# KiCad board frothfet.kicad_pcb (continued)
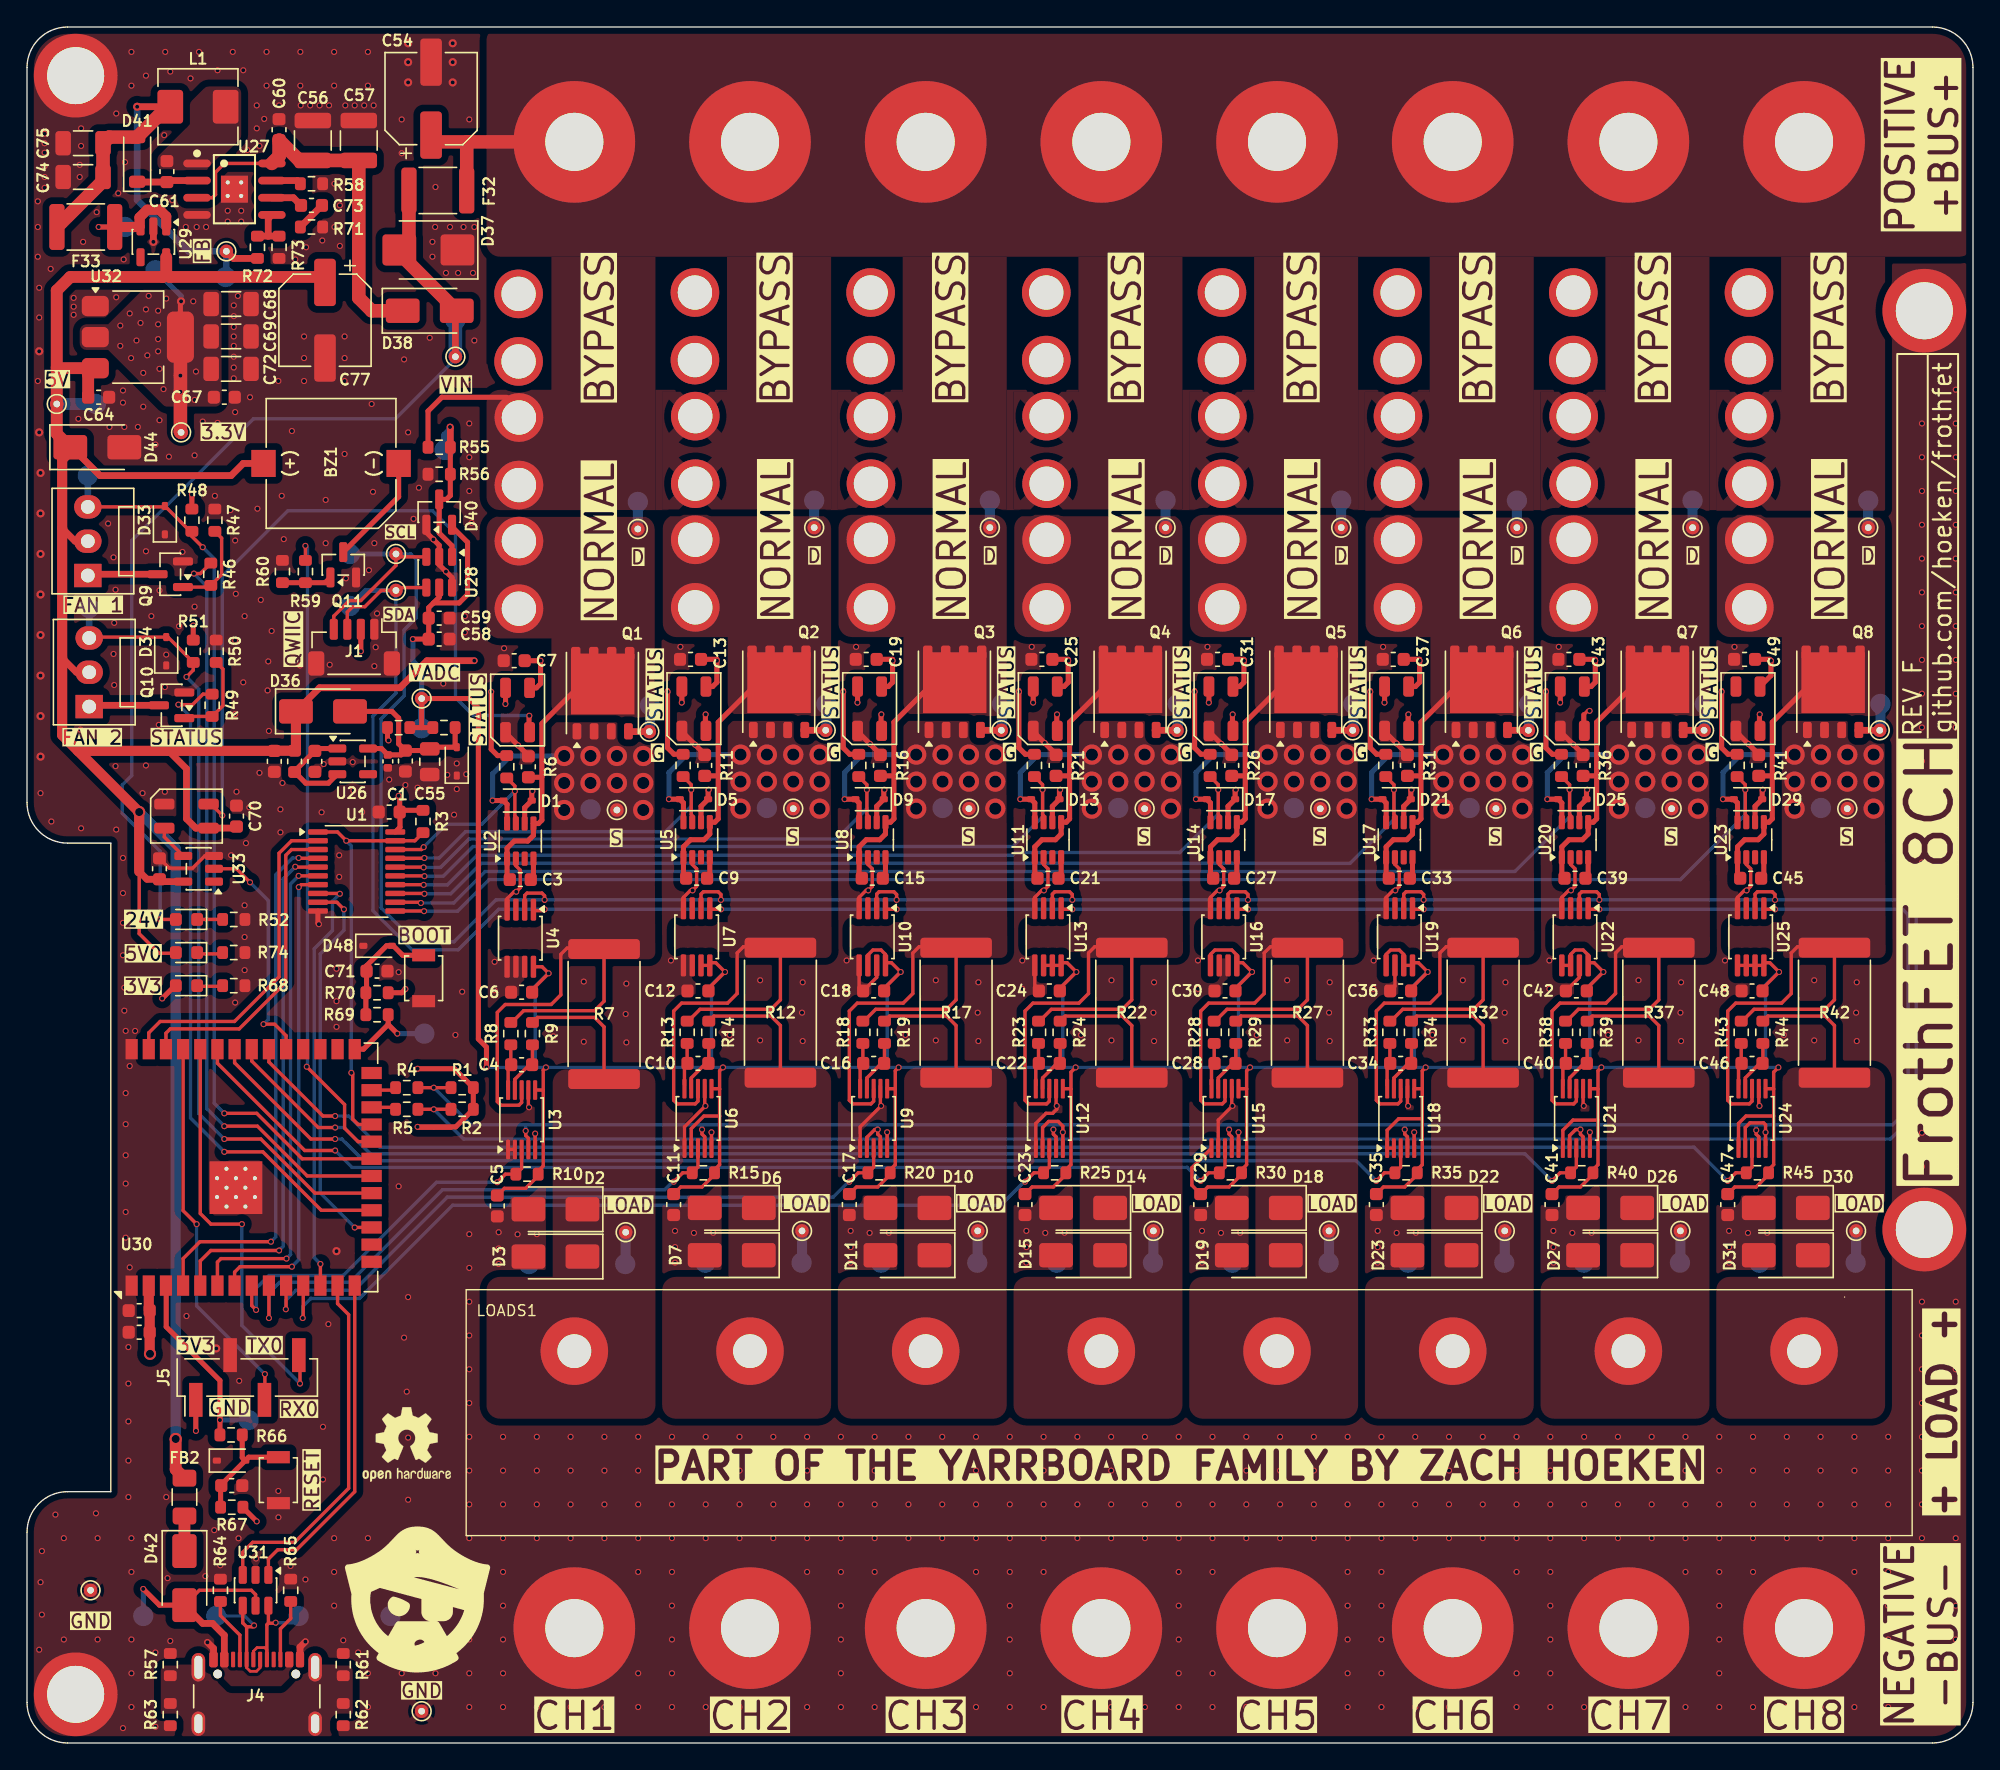
[diagram p0: board, top side]
## Placement (name value [footprint] x y rotation side) (continued)
TP77  TestPoint  [TestPoint_Pad_D1.5mm]  137.15 76.9 0 bottom
TP78  TestPoint  [TestPoint_Pad_D1.5mm]  136.25 91.95 0 bottom
TP79  TestPoint  [TestPoint_Pad_D1.5mm]  132.75 69.2 0 bottom
TP80  TestPoint  [TestPoint_Pad_D1.5mm]  135.32 35.55 0 bottom
TP81  TestPoint  [TestPoint_Pad_D1.5mm]  37.15 35.44 0 bottom
TP82  TestPoint  [TestPoint_Pad_D1.5mm]  50.2 35.54 0 bottom
TP83  TestPoint  [TestPoint_Pad_D1.5mm]  63.2 35.54 0 bottom
TP84  TestPoint  [TestPoint_Pad_D1.5mm]  76.2 35.54 0 bottom
TP85  TestPoint  [TestPoint_Pad_D1.5mm]  89.2 35.54 0 bottom
TP86  TestPoint  [TestPoint_Pad_D1.5mm]  102.2 35.54 0 bottom
TP87  TestPoint  [TestPoint_Pad_D1.5mm]  115.2 35.54 0 bottom
TP88  TestPoint  [TestPoint_Pad_D1.5mm]  128.2 35.54 0 bottom
TP89  TestPoint  [TestPoint_Pad_D1.5mm]  4.5 93.8 0 bottom
TP90  TestPoint  [TestPoint_Pad_D1.5mm]  4.6 84 0 bottom
TP91  TestPoint  [TestPoint_Pad_D1.5mm]  31.7 105.3 0 bottom
TP92  TestPoint  [TestPoint_Pad_D1.5mm]  29.2 75.1 0 bottom
TP93  TestPoint  [TestPoint_Pad_D1.5mm]  14.7 108.5 0 bottom
TP94  TestPoint  [TestPoint_Pad_D1.5mm]  30.9 95.7 0 bottom
TP95  ~  [TestPoint_THTPad_D1.0mm_Drill0.5mm]  29.2 2.35 0 top
TP96  ~  [TestPoint_THTPad_D1.0mm_Drill0.5mm]  4.7 11.3 0 top
TP97  TestPoint  [TestPoint_Pad_D1.5mm]  23.9 88 0 bottom
TP98  TestPoint  [TestPoint_Pad_D1.5mm]  23.9 84.15 0 bottom
U1  74LVC541A  [TSSOP-20_4.4x6.5mm_P0.65mm]  24.39 64.5 0 top
U2  LM74502H  [SOT-23-8]  36.5 66.75 90 top
U3  INA226  [VSSOP-10_3x3mm_P0.5mm]  36.6 46.12 90 top
U4  LM75BD  [MSOP-8_3x3mm_P0.65mm]  36.5 59.56 270 top
U5  LM74502H  [SOT-23-8]  49.55 66.85 90 top
U6  INA226  [VSSOP-10_3x3mm_P0.5mm]  49.65 46.22 90 top
U7  LM75BD  [MSOP-8_3x3mm_P0.65mm]  49.55 59.66 270 top
U8  LM74502H  [SOT-23-8]  62.55 66.85 90 top
U9  INA226  [VSSOP-10_3x3mm_P0.5mm]  62.65 46.22 90 top
U10  LM75BD  [MSOP-8_3x3mm_P0.65mm]  62.55 59.66 270 top
U11  LM74502H  [SOT-23-8]  75.55 66.85 90 top
U12  INA226  [VSSOP-10_3x3mm_P0.5mm]  75.65 46.22 90 top
U13  LM75BD  [MSOP-8_3x3mm_P0.65mm]  75.55 59.66 270 top
U14  LM74502H  [SOT-23-8]  88.55 66.85 90 top
U15  INA226  [VSSOP-10_3x3mm_P0.5mm]  88.65 46.22 90 top
U16  LM75BD  [MSOP-8_3x3mm_P0.65mm]  88.55 59.66 270 top
U17  LM74502H  [SOT-23-8]  101.55 66.85 90 top
U18  INA226  [VSSOP-10_3x3mm_P0.5mm]  101.65 46.22 90 top
U19  LM75BD  [MSOP-8_3x3mm_P0.65mm]  101.55 59.66 270 top
U20  LM74502H  [SOT-23-8]  114.55 66.85 90 top
U21  INA226  [VSSOP-10_3x3mm_P0.5mm]  114.65 46.22 90 top
U22  LM75BD  [MSOP-8_3x3mm_P0.65mm]  114.55 59.66 270 top
U23  LM74502H  [SOT-23-8]  127.55 66.85 90 top
U24  INA226  [VSSOP-10_3x3mm_P0.5mm]  127.65 46.22 90 top
U25  LM75BD  [MSOP-8_3x3mm_P0.65mm]  127.55 59.66 270 top
U26  TPS7A2033PDBVR  [SOT-23-5]  24.1 72.65 0 top
U27  RT7272BGSP  [SOIC-8_L5.0-W4.0-P1.27-LS6.0-BL-EP2.0]  15.35 115 270 top
U28  MCP3425A0T-ECH  [SOT-23-6]  30.5 86.65 270 top
U29  MAX40200AUK  [SOT-23-5]  9.35 111.1 270 top
U30  ESP32-S3-WROOM-1-N16R8  [ESP32-S3-WROOM-1]  13 42.6 90 top
U31  USBLC6-2SC6  [SOT-23-6]  16.91 11.3 270 top
U32  LDL1117S33R  [SOT-223-3_TabPin2]  8.2 104.05 0 top
U33  SN74LV1T34DBV  [SOT-23-5]  12.7 64.7 180 top

## Library data of the parts
ATC1 F4 F8 F12 F16 F20 F24 F28 = -: Description: Fuse; LCSC: C142685; ki_fp_filters: *Fuse*
BZ1 = -: Datasheet: https://www.lcsc.com/datasheet/C391033.pdf; Description: Buzzer, polarized; LCSC: C391033; Rotation Offset: 90; ki_fp_filters: *Buzzer*
C1 C2 C4-C8 C10-C14 C16-C20 C22-C26 C28-C32 C34-C38 C40-C44 C46-C49 C51 C53 C59-C61 C63 C65 C70 = -: LCSC: C14663; ki_fp_filters: C_*
C3 C9 C15 C21 C27 C33 C39 C45 = -: LCSC: C21120; ki_fp_filters: C_*
C50 C64 C66 C71 = -: LCSC: C15849; ki_fp_filters: C_*
C52 = -: LCSC: C1523; ki_fp_filters: C_*
C54 = -: Description: Polarized capacitor, small US symbol; LCSC: C3151829; Rotation Offset: 180; ki_fp_filters: CP_*
C55 = -: Description: Unpolarized capacitor, small symbol; LCSC: C527225; ki_fp_filters: C_*
C56 C57 = -: LCSC: C138687; ki_fp_filters: C_*
C58 = -: LCSC: C19702; ki_fp_filters: C_*
C62 = -: LCSC: C59461; ki_fp_filters: C_*
C67 = -: LCSC: C19666; ki_fp_filters: C_*
C68 C69 C72 = -: LCSC: C15008; ki_fp_filters: C_*
C73 = -: LCSC: C1609; ki_fp_filters: C_*
C74 C75 = -: LCSC: C12891; ki_fp_filters: C_*
C77 = -: Description: Polarized capacitor, small US symbol; LCSC: C2977551; Rotation Offset: 180; ki_fp_filters: CP_*
D1 D5 D9 D13 D17 D21 D25 D29 = -: Description: Zener diode, small symbol; ki_fp_filters: TO-???* *_Diode_* *SingleDiode* D_*
D2 D6 D10 D14 D18 D22 D26 D30 = -: Sim.Device: D; Sim.Pins: 1=K 2=A; ki_fp_filters: D*SMA*
D3 D7 D11 D15 D19 D23 D27 D31 = -: Datasheet: https://www.littelfuse.com/media?resourcetype=datasheets&itemid=75e32973-b177-4ee3-a0ff-cedaf1abdb93&filename=smaj-datasheet; Description: 400W bidirectional Transient Voltage Suppressor, 30.0Vr, SMA(DO-214AC); ki_fp_filters: D*SMA*
D4 D8 D12 D16 D20 D24 D28 D32 D47 = -: Datasheet: https://www.lcsc.com/datasheet/C527089.pdf; Description: RGB LED with integrated controller; LCSC: C527089; ki_fp_filters: LED*WS2812*PLCC*5.0x5.0mm*P3.2mm*
D33 D34 D39 = -: LCSC: C316020; ki_fp_filters: TO-???* *_Diode_* *SingleDiode* D_*
D35 = -: Description: Light emitting diode; LCSC: C12624; Sim.Pins: 1=K 2=A; ki_fp_filters: LED* LED_SMD:* LED_THT:*
D36 D38 = -: ki_fp_filters: TO-???* *_Diode_* *SingleDiode* D_*
D37 = -: LCSC: C113999; ki_fp_filters: TO-???* *_Diode_* *SingleDiode* D_*
D40 = -: Datasheet: https://www.lcsc.com/datasheet/C40919.pdf; LCSC: C40919; ki_fp_filters: SOT?23*
D41 = -: Datasheet: https://www.vishay.com/docs/85748/1n4148w.pdf; Description: 75V 0.15A Fast Switching Diode, SOD-123; Sim.Device: D; Sim.Pins: 1=K 2=A; LCSC: C81598; ki_fp_filters: D*SOD?123*
D42 = -: Description: 40V Independent 550mV@3A 3A SMA(DO-214AC) Single Diodes RoHS; LCSC: C8678; ki_fp_filters: D*SMA*
D43 D46 = -: Description: Light emitting diode; Sim.Pins: 1=K 2=A; LCSC: C12624; ki_fp_filters: LED* LED_SMD:* LED_THT:*
D44 = -: Datasheet: https://www.littelfuse.com/media?resourcetype=datasheets&itemid=75e32973-b177-4ee3-a0ff-cedaf1abdb93&filename=smaj-datasheet; Description: 400W unidirectional Transient Voltage Suppressor, 5.0Vr, SMA(DO-214AC); LCSC: C87074; ki_fp_filters: D*SMA*
D45 D48 = -: Description: Bidirectional transient-voltage-suppression diode; LCSC: C2687129; ki_fp_filters: TO-???* *_Diode_* *SingleDiode* D_*
F32 = -: LCSC: C70113; ki_fp_filters: *polyfuse* *PTC*
F33 = -: ki_fp_filters: *polyfuse* *PTC*
F42-F65 = -: Description: Generic connector, single row, 01x01, script generated; LCSC: C41371870; Rotation Offset: 90; ki_fp_filters: Connector*:*_1x??_*
FB1 = -: ki_fp_filters: Inductor_* L_* *Ferrite*
FB2 = -: Description: Resettable fuse, polymeric positive temperature coefficient; LCSC: C70083; ki_fp_filters: *polyfuse* *PTC*
H1-H4 = -: LCSC: C2916369; ki_fp_filters: MountingHole*Pad*
J1 = -: Description: Generic connectable mounting pin connector, single row, 01x04, script generated (kicad-library-utils/schlib/autogen/connector/); LCSC: C160390; ki_fp_filters: Connector*:*_1x??-1MP*
J2 J3 = -: Description: Generic screw terminal, single row, 01x08, script generated (kicad-library-utils/schlib/autogen/connector/); ki_fp_filters: TerminalBlock*:*
J4 = -: Datasheet: https://www.usb.org/sites/default/files/documents/usb_type-c.zip; Description: USB 2.0-only 16P Type-C Receptacle connector; LCSC: C393939; Position Offset: 0.0,1.27; ki_fp_filters: USB*C*Receptacle*
J5 = -: Description: Generic connector, single row, 01x04, script generated (kicad-library-utils/schlib/autogen/connector/); LCSC: C5160787; Rotation Offset: 90; ki_fp_filters: Connector*:*_1x??_*
L1 = -: LCSC: C177249; PN: SMMS0530-6R8M; ki_fp_filters: Choke_* *Coil* Inductor_* L_*
LOADS1 = -: Description: Generic screw terminal, single row, 01x08, script generated (kicad-library-utils/schlib/autogen/connector/); LCSC: C964541; ki_fp_filters: TerminalBlock*:*
LOGO1 LOGO2 = -: Description: Open Hardware logo, small
M1 M2 = -: Datasheet: http://www.hardwarecanucks.com/forum/attachments/new-builds/16287d1330775095-help-chassis-power-fan-connectors-motherboard-asus_p8z68.jpg; Description: Fan, tacho output, 3-pin connector; LCSC: C86503; ki_fp_filters: FanPinHeader*P2.54mm*Vertical* PinHeader*P2.54mm*Vertical* TerminalBlock*
Q1-Q8 = -: Datasheet: https://www.lcsc.com/datasheet/C501508.pdf; Description: MOSFET N-CH 40V 247A TDSON-8FL; Mouser: 726-BSC010N04LS; Rotation Offset: -90; LCSC: C501508; ki_fp_filters: DirectFET*ME*
Q9-Q11 = -: Datasheet: http://www.aosmd.com/pdfs/datasheet/AO3400A.pdf; Description: 30V Vds, 5.7A Id, N-Channel MOSFET, SOT-23; LCSC: C5224194; ki_fp_filters: SOT?23*
R1 R2 = -: LCSC: C4190; ki_fp_filters: R_*
R3 R6 R10 R11 R15 R16 R20 R21 R25 R26 R30 R31 R35 R36 R40 R41 R45 R48 R51 = -: LCSC: C25804; ki_fp_filters: R_*
R4 R5 R53 = -: LCSC: C21189; ki_fp_filters: R_*
R7 R12 R17 R22 R27 R32 R37 R42 = -: Description: Resistor, US symbol; LCSC: C469436; ki_fp_filters: R_*
R8 R9 R13 R14 R18 R19 R23 R24 R28 R29 R33 R34 R38 R39 R43 R44 = -: LCSC: C844794; ki_fp_filters: R_*
R46 R49 R59 = -: LCSC: C22775; ki_fp_filters: R_*
R47 R50 R52 R60 = -: LCSC: C25803; ki_fp_filters: R_*
R54 = -: LCSC: C96345; ki_fp_filters: R_*
R55 = -: LCSC: C705762; ki_fp_filters: R_*
R56 = -: LCSC: C469656; ki_fp_filters: R_*
R57 R61-R63 = -: Description: Resistor, small US symbol; LCSC: C21189; ki_fp_filters: R_*
R58 = -: Description: Resistor, small US symbol; LCSC: C137678; ki_fp_filters: R_*
R64 R65 R68 = -: Description: Resistor, small US symbol; LCSC: C23186; ki_fp_filters: R_*
R66 R69 = -: Description: Resistor, small US symbol; LCSC: C22775; ki_fp_filters: R_*
R67 R70 R74 = -: Description: Resistor, small US symbol; LCSC: C25804; ki_fp_filters: R_*
R71 = -: Description: Resistor, small US symbol; LCSC: C23352; ki_fp_filters: R_*
R72 = -: Description: Resistor, small US symbol; LCSC: C137694; ki_fp_filters: R_*
R73 = -: Description: Resistor, small US symbol; LCSC: C185375; ki_fp_filters: R_*
SW1 SW2 = -: LCSC: C231329; Rotation Offset: 90
TP1-TP37 TP40 TP46 TP95 TP96 = -: Description: test point (alternative probe-style design); ki_fp_filters: Pin* Test*
TP38 TP39 TP41-TP45 TP47-TP94 TP97 TP98 = -: Description: test point; ki_fp_filters: Pin* Test*
U1 = -: Datasheet: https://www.lcsc.com/datasheet/C113281.pdf; Description: 8-bit Buffer/Line Driver 3-state outputs; LCSC: C113281; ki_fp_filters: DIP?20* SOIC*7.5x12.8mm*P1.27mm* TSSOP*4.4x6.5mm*P0.65mm* SSOP*4.4x6.5mm*P0.65mm*
U2 U5 U8 U11 U14 U17 U20 U23 = -: Datasheet: https://www.lcsc.com/datasheet/C5219203.pdf; Description: SOT-23-8-THIN OR Controllers, Ideal Diodes RoHS; LCSC: C5219203
U3 U6 U9 U12 U15 U18 U21 U24 = -: Datasheet: http://www.ti.com/lit/ds/symlink/ina226.pdf; Description: High-Side or Low-Side Measurement, Bi-Directional Current and Power Monitor (0-36V) with I2C Compatible Interface, VSSOP-10; LCSC: C2653870; Rotation Offset: 270; ki_fp_filters: VSSOP*3x3mm*P0.5mm*
U4 U7 U10 U13 U16 U19 U22 U25 = -: Datasheet: http://www.ti.com/lit/ds/symlink/lm75b.pdf; Description: Digital Temperature Sensor & Thermal Watchdog with LP on I2C and bus fault timeout, SOIC-8 and VSSOP-8; LCSC: C18547812; ki_fp_filters: SOIC*3.9x4.9mm*P1.27mm* VSSOP*3x3mm*P0.65mm*
U26 = -: Datasheet: https://www.ti.com/lit/ds/symlink/tps7a20.pdf; Description: 300 mA Low Dropout Voltage Regulator, Fixed Output, 1.6..6.0Vin, Low-Noise (7μV RMS), 6.5μA IQ LDO, X2SON-5; LCSC: C2862740; ki_fp_filters: *X2SON*1x1mm*P0.65mm*
U27 = -: Datasheet: https://www.lcsc.com/datasheet/C127866.pdf; Description: 3A, 36V, 500kHz Synchronous Step-Down Converter; LCSC: C127866; Rotation Offset: 90
U28 = -: Datasheet: http://ww1.microchip.com/downloads/en/DeviceDoc/22072b.pdf; Mouser: 579-MCP3425A0T-E/CH; LCSC: C66823; ki_fp_filters: SOT?23* SOT?23*
U29 = -: Datasheet: https://datasheets.maximintegrated.com/en/ds/MAX40200.pdf; Description: Ideal Diode, Ultra-Low Voltage Drop, 1.5-5.5V, 1A, SOT-23-5; LCSC: C2649430; Rotation Offset: 90; ki_fp_filters: SOT?23*
U30 = -: Datasheet: https://www.espressif.com/sites/default/files/documentation/esp32-s3-wroom-1_wroom-1u_datasheet_en.pdf; Description: RF Module, ESP32-S3 SoC, Wi-Fi 802.11b/g/n, Bluetooth, BLE, 32-bit, 3.3V, onboard antenna, SMD; LCSC: C2913202; Position Offset: 0,-3.6195; ki_fp_filters: ESP32?S3?WROOM?1*
U31 = -: Datasheet: https://www.st.com/resource/en/datasheet/usblc6-2.pdf; Description: Very low capacitance ESD protection diode, 2 data-line, SOT-23-6; LCSC: C7519; Rotation Offset: 90; ki_fp_filters: SOT?23*
U32 = -: Datasheet: https://www.lcsc.com/datasheet/C435835.pdf; Description: 1.2 A high PSRR low-dropout linear voltage regulator; LCSC: C435835; ki_fp_filters: SOT?223*TabPin2*
U33 = -: Datasheet: https://www.ti.com/lit/ds/symlink/sn74lv1t34.pdf; Description: Single Power Supply, Single Buffer GATE, CMOS Logic, Level Shifter, SOT-23-5; LCSC: C100024; ki_fp_filters: SOT?23*

## Footprints (pads in the part's own frame, mm; a bottom-side part is the same pattern mirrored in y, then rotated)
Buzzer_FUET_9.6x9.6
  rect 2x1.8 smd: 1(0,5) 2(0,-5)
C_0402_1005Metric
  rrect 0.56x0.62 smd: 1(-0.48,0) 2(0.48,0)
C_0603_1608Metric
  rrect 0.9x0.95 smd: 1(-0.775,0) 2(0.775,0)
C_0805_2012Metric
  rrect 1x1.45 smd: 1(-0.95,0) 2(0.95,0)
C_1206_3216Metric
  rrect 1.15x1.8 smd: 1(-1.475,0) 2(1.475,0)
C_1210_3225Metric
  rrect 1.15x2.7 smd: 1(-1.475,0) 2(1.475,0)
CP_Elec_6.3x5.4
  rrect 3.5x1.6 smd: 1(-2.8,0) 2(2.8,0)
CP_Elec_6.3x7.7
  rrect 3.5x1.6 smd: 1(-2.7,0) 2(2.7,0)
D_SMA
  rrect 2.5x1.8 smd: 1(-2,0) 2(2,0)
D_SMB
  rrect 2.5x2.3 smd: 1(-2.15,0) 2(2.15,0)
D_SOD-123
  rrect 0.9x1.2 smd: 1(-1.65,0) 2(1.65,0)
D_SOD-323
  rrect 0.6x0.45 smd: 1(-1.05,0) 2(1.05,0)
ESP32-S3-WROOM-1
  rect 0.9x0.9 smd: (-2.9,-1.06) (-2.9,-2.46) (-2.9,-3.86) (-1.5,-1.06) (-1.5,-2.46) (-1.5,-3.86) (-0.1,-1.06) (-0.1,-2.46) (-0.1,-3.86)
  rect 1.5x0.9 smd: 1(-8.75,5.26) 2(-8.75,3.99) 3(-8.75,2.72) 4(-8.75,1.45) 5(-8.75,0.18) 6(-8.75,-1.09) 7(-8.75,-2.36) 8(-8.75,-3.63) 9(-8.75,-4.9) 10(-8.75,-6.17) 11(-8.75,-7.44) 12(-8.75,-8.71) 13(-8.75,-9.98) 14(-8.75,-11.25) 27(8.75,-11.25) 28(8.75,-9.98) 29(8.75,-8.71) 30(8.75,-7.44) 31(8.75,-6.17) 32(8.75,-4.9) 33(8.75,-3.63) 34(8.75,-2.36) 35(8.75,-1.09) 36(8.75,0.18) 37(8.75,1.45) 38(8.75,2.72) 39(8.75,3.99) 40(8.75,5.26)
  rect 0.9x1.5 smd: 15(-6.985,-12.5) 16(-5.715,-12.5) 17(-4.445,-12.5) 18(-3.175,-12.5) 19(-1.905,-12.5) 20(-0.635,-12.5) 21(0.635,-12.5) 22(1.905,-12.5) 23(3.175,-12.5) 24(4.445,-12.5) 25(5.715,-12.5) 26(6.985,-12.5)
  round 0.6 hole 0.3: 41(-2.9,-1.76) 41(-2.9,-3.16) 41(-2.2,-1.06) 41(-2.2,-2.46) 41(-2.2,-3.86) 41(-1.5,-1.76) 41(-1.5,-3.16) 41(-0.8,-1.06) 41(-0.8,-2.46) 41(-0.8,-3.86) 41(-0.1,-1.76) 41(-0.1,-3.16)
  rect 3.9x3.9 smd: 41(-1.5,-2.46)
FanPinHeader_1x03_P2.54mm_Vertical
  rect 1.73x2.03 hole 1.02: 1(0,0)
  oval 1.73x2.03 hole 1.02: 2(2.54,0) 3(5.08,0)
Frothfet Busbar Negative Rev E
  round 9 hole 4.3: 1(0,0) 2(13,0) 3(26,0) 4(39,0) 5(52,0) 6(65,0) 7(78,0) 8(91,0)
Frothfet Busbar Positive Rev E
  round 9 hole 4.3: 1(0,0) 2(13,0) 3(26,0) 4(39,0) 5(52,0) 6(65,0) 7(78,0) 8(91,0)
Fuse_1206_3216Metric
  rrect 1.25x1.75 smd: 1(-1.4,0) 2(1.4,0)
Fuse_1812_4532Metric
  rrect 1.125x3.4 smd: 1(-2.138,0) 2(2.138,0)
Infineon_PG-TDSON-8_6.15x5.15mm
  rect 0.9x0.9 smd: (-0.8,1.725) (-0.8,0.575) (-0.8,-0.575) (-0.8,-1.725) (0.425,1.725) (0.425,0.575) (0.425,-0.575) (0.425,-1.725) (1.625,1.725) (1.625,0.575) (1.625,-0.575) (1.625,-1.725)
  rect 4.5x4.7 smd: 1(0.675,0)
  rrect 1x0.7 smd: 1(2.925,1.995) 1(2.925,0.665) 1(2.925,-0.665) 1(2.925,-1.995)
  rrect 1.2x0.65 smd: 2(-2.825,-1.905) 3(-2.825,1.905) 3(-2.825,0.635) 3(-2.825,-0.635)
JST_SH_BM04B-SRSS-TB_1x04-1MP_P1.00mm_Vertical
  rrect 0.6x1.55 smd: 1(-1.5,-1.325) 2(-0.5,-1.325) 3(0.5,-1.325) 4(1.5,-1.325)
  rrect 1.2x1.8 smd: MP(-2.8,1.2) MP(2.8,1.2)
KF78S-13.0-8P
  round 5 hole 2.5: 1(0,0) 2(13,0) 3(26,0) 4(39,0) 5(52,0) 6(65,0) 7(78,0) 8(91,0)
L_0603_1608Metric
  rrect 0.875x0.95 smd: 1(-0.787,0) 2(0.787,0)
L_Chilisin_BMRA00050530
  rrect 1.9x2.5 smd: 1(-2.05,0) 2(2.05,0)
LED_0603_1608Metric
  rrect 0.875x0.95 smd: 1(-0.787,0) 2(0.787,0)
LED_WS2812B-Mini_PLCC4_3.5x3.5mm
  rrect 1.5x0.8 smd: 1(-1.64,0.89) 2(-1.64,-0.89) 3(1.64,-0.89) 4(1.64,0.89)
MSOP-8_3x3mm_P0.65mm
  rrect 1.625x0.4 smd: 1(-2.112,0.975) 2(-2.112,0.325) 3(-2.112,-0.325) 4(-2.112,-0.975) 5(2.112,-0.975) 6(2.112,-0.325) 7(2.112,0.325) 8(2.112,0.975)
PinHeader_1x04_P2.54mm_Vertical_SMD_Pin1Left
  rect 2.51x1 smd: 1(-1.655,3.81) 2(1.655,1.27) 3(-1.655,-1.27) 4(1.655,-3.81)
R_0603_1608Metric
  rrect 0.8x0.95 smd: 1(-0.825,0) 2(0.825,0)
R_4020_10251Metric
  rrect 1.475x5.3 smd: 1(-4.812,0) 2(4.812,0)
SMTSO30XXX
  round 4.22 hole 4.22 unplated: (0,0)
  round 6.2 smd: 1(0,0)
SOIC-8_L5.0-W4.0-P1.27-LS6.0-BL-EP2.0
  oval 0.574x2.038 smd: 1(-1.905,-2.769) 2(-0.635,-2.769) 3(0.635,-2.769) 4(1.905,-2.769) 5(1.905,2.769) 6(0.635,2.769) 7(-0.635,2.769) 8(-1.905,2.769)
  round 0.7 hole 0.3: 4(-0.5,0.5) 4(-0.5,-0.5) 4(0.5,0.5) 4(0.5,-0.5)
  rect 2x2 smd: 4(0,0)
SOT-23
  rrect 1.475x0.6 smd: 1(-0.938,0.95) 2(-0.938,-0.95) 3(0.938,0)
SOT-23-5
  rrect 1.325x0.6 smd: 1(-1.137,0.95) 2(-1.137,0) 3(-1.137,-0.95) 4(1.137,-0.95) 5(1.137,0.95)
SOT-23-6
  rrect 1.325x0.6 smd: 1(-1.137,0.95) 2(-1.137,0) 3(-1.137,-0.95) 4(1.137,-0.95) 5(1.137,0) 6(1.137,0.95)
SOT-23-8
  rrect 1.05x0.45 smd: 1(-1.3,0.975) 2(-1.3,0.325) 3(-1.3,-0.325) 4(-1.3,-0.975) 5(1.3,-0.975) 6(1.3,-0.325) 7(1.3,0.325) 8(1.3,0.975)
SOT-223-3_TabPin2
  rrect 2x1.5 smd: 1(-3.15,2.3) 2(-3.15,0) 3(-3.15,-2.3)
  rrect 2x3.8 smd: 2(3.15,0)
SW_SPST_B3U-1000P
  rect 0.9x1.7 smd: 1(-1.7,0) 2(1.7,0)
TestPoint_Pad_D1.5mm
  round 1.5 smd: 1(0,0)
TestPoint_THTPad_D1.0mm_Drill0.5mm
  round 1 hole 0.5: 1(0,0)
TSSOP-20_4.4x6.5mm_P0.65mm
  rrect 1.475x0.4 smd: 1(-2.862,2.925) 2(-2.862,2.275) 3(-2.862,1.625) 4(-2.862,0.975) 5(-2.862,0.325) 6(-2.862,-0.325) 7(-2.862,-0.975) 8(-2.862,-1.625) 9(-2.862,-2.275) 10(-2.862,-2.925) 11(2.862,-2.925) 12(2.862,-2.275) 13(2.862,-1.625) 14(2.862,-0.975) 15(2.862,-0.325) 16(2.862,0.325) 17(2.862,0.975) 18(2.862,1.625) 19(2.862,2.275) 20(2.862,2.925)
USB_C_Receptacle_GCT_USB4105-xx-A_16P_TopMnt_Horizontal
  round 0.65 hole 0.65 unplated: (-2.89,2.605) (2.89,2.605)
  rrect 0.6x1.15 smd: A1(-3.2,3.68) A4(-2.4,3.68) A9(2.4,3.68) A12(3.2,3.68) B1(3.2,3.68) B4(2.4,3.68) B9(-2.4,3.68) B12(-3.2,3.68)
  rrect 0.3x1.15 smd: A5(-1.25,3.68) A6(-0.25,3.68) A7(0.25,3.68) A8(1.25,3.68) B5(1.75,3.68) B6(0.75,3.68) B7(-0.75,3.68) B8(-1.75,3.68)
  oval 1x2.1 hole 0.6x1.7: S1(-4.32,3.105) S1(4.32,3.105)
  oval 1x1.8 hole 0.6x1.4: S1(-4.32,-1.075) S1(4.32,-1.075)
VSSOP-10_3x3mm_P0.5mm
  rrect 1.45x0.3 smd: 1(-2.2,1) 2(-2.2,0.5) 3(-2.2,0) 4(-2.2,-0.5) 5(-2.2,-1) 6(2.2,-1) 7(2.2,-0.5) 8(2.2,0) 9(2.2,0.5) 10(2.2,1)
XFCN T507
  round 3.6 hole 2.54: 1(0,2.5) 1(0,-2.5)

## Nets
+3.3V: C1.1 C62.1 C63.1 C67.1 C68.1 C69.1 C72.1 D46.2 J1.2 J5.1 R1.2 R2.2 R3.1 R6.2 R11.2 R16.2 R21.2 R26.2 R31.2 R36.2 R41.2 R48.2 R51.2 R54.2 R67.1 R70.2 TP46.1 TP47.1 U1.20 U30.2 U32.2
+3.3VADC: C5.1 C6.1 C11.1 C12.1 C17.1 C18.1 C23.1 C24.1 C29.1 C30.1 C35.1 C36.1 C41.1 C42.1 C47.1 C48.1 C58.1 C59.1 D40.2 R10.2 R15.2 R20.2 R25.2 R30.2 R35.2 R40.2 R45.2 R53.2 R54.1 TP36.1 TP92.1 U3.6 U4.8 U6.2 U6.6 U7.7 U7.8 U9.6 U10.6 U10.8 U12.6 U13.6 U13.7 U13.8 U15.1 U15.6 U16.5 U16.8 U18.1 U18.2 U18.6 U19.5 U19.7 U19.8 U21.1 U21.6 U22.5 U22.6 U22.8 U24.1 U24.6 U25.5 U25.6 U25.7 U25.8 U28.5
+5V: BZ1.1 C7.2 C13.2 C19.2 C25.2 C31.2 C37.2 C43.2 C49.2 C50.1 C64.1 C65.1 C70.1 C77.1 D4.1 D8.1 D12.1 D16.1 D20.1 D24.1 D28.1 D32.1 D36.1 D43.2 D44.1 D47.1 FB1.1 FB2.2 M1.2 M2.2 TP39.1 TP40.1 U29.5 U32.3 U33.5
+24V: C54.1 F32.2 F43.1 F46.1 F49.1 F52.1 F55.1 F58.1 F61.1 F64.1 J2.1 J2.2 J2.3 J2.4 J2.5 J2.6 J2.7 J2.8 R55.2
/ESP32-S3/VBUS: D42.2 J4.A4 J4.A9 J4.B4 J4.B9 TP42.1 U31.5
GND: C1.2 C2.2 C5.2 C6.2 C7.1 C8.2 C11.2 C12.2 C13.1 C14.2 C17.2 C18.2 C19.1 C20.2 C23.2 C24.2 C25.1 C26.2 C29.2 C30.2 C31.1 C32.2 C35.2 C36.2 C37.1 C38.2 C41.2 C42.2 C43.1 C44.2 C47.2 C48.2 C49.1 C50.2 C51.2 C52.2 C53.2 C54.2 C55.2 C56.2 C57.2 C58.2 C59.2 C60.2 C62.2 C63.2 C64.2 C65.2 C66.2 C67.2 C68.2 C69.2 C70.2 C71.1 C72.2 C74.2 C75.2 C77.2 D2.2 D3.2 D4.3 D6.2 D7.2 D8.3 D10.2 D11.2 D12.3 D14.2 D15.2 D16.3 D18.2 D19.2 D20.3 D22.2 D23.2 D24.3 D26.2 D27.2 D28.3 D30.2 D31.2 D32.3 D33.1 D34.1 D37.1 D39.1 D40.1 D44.2 D45.1 D47.3 D48.1 H1.1 H2.1 H3.1 H4.1 J1.1 J1.MP J3.1 J3.2 J3.3 J3.4 J3.5 J3.6 J3.7 J3.8 J4.A1 J4.A12 J4.B1 J4.B12 J5.2 Q9.2 Q10.2 Q11.2 R47.2 R50.2 R52.2 R56.1 R57.1 R58.2 R60.2 R61.1 R62.1 R63.1 R64.2 R65.2 R68.2 R71.2 R73.2 R74.2 SW1.2 SW2.2 TP41.1 TP81.1 TP82.1 TP83.1 TP84.1 TP85.1 TP86.1 TP87.1 TP88.1 TP95.1 TP96.1 U1.10 U2.2 U3.1 U3.2 U3.7 U4.4 U4.5 U4.6 U4.7 U5.2 U6.1 U6.7 U7.4 U7.5 U7.6 U8.2 U9.1 U9.7 U10.4 U10.5 U10.7 U11.2 U12.1 U12.7 U13.4 U13.5 U14.2 U15.2 U15.7 U16.4 U16.6 U16.7 U17.2 U18.7 U19.4 U19.6 U20.2 U21.7 U22.4 U22.7 U23.2 U24.7 U25.4 U26.2 U27.4 U28.2 U28.6 U29.2 U30.1 U30.40 U30.41 U31.2 U32.1 U33.3
/CHANNEL 1/LED_DOUT: D4.2 D8.4
/CHANNEL 1/LOAD_SWITCHED: D1.2 F44.1 Q1.3 R7.1 R8.2 TP5.1 TP51.1 U2.8 U3.8
/CHANNEL 1/LOAD_VSS: C2.1 C3.1 F42.1 Q1.1 TP4.1 TP50.1 U2.1 U2.5
/CHANNEL 2/LED_DOUT: D8.2 D12.4
/CHANNEL 2/LOAD_SWITCHED: D5.2 F47.1 Q2.3 R12.1 R13.2 TP9.1 TP55.1 U5.8 U6.8
/CHANNEL 2/LOAD_VSS: C8.1 C9.1 F45.1 Q2.1 TP8.1 TP54.1 U5.1 U5.5
/CHANNEL 3/LED_DOUT: D12.2 D16.4
/CHANNEL 3/LOAD_SWITCHED: D9.2 F50.1 Q3.3 R17.1 R18.2 TP13.1 TP59.1 U8.8 U9.8
/CHANNEL 3/LOAD_VSS: C14.1 C15.1 F48.1 Q3.1 TP12.1 TP58.1 U8.1 U8.5
/CHANNEL 4/LED_DOUT: D16.2 D20.4
/CHANNEL 4/LOAD_SWITCHED: D13.2 F53.1 Q4.3 R22.1 R23.2 TP17.1 TP63.1 U11.8 U12.8
/CHANNEL 4/LOAD_VSS: C20.1 C21.1 F51.1 Q4.1 TP16.1 TP62.1 U11.1 U11.5
/CHANNEL 5/LED_DOUT: D20.2 D24.4
/CHANNEL 5/LOAD_SWITCHED: D17.2 F56.1 Q5.3 R27.1 R28.2 TP21.1 TP67.1 U14.8 U15.8
/CHANNEL 5/LOAD_VSS: C26.1 C27.1 F54.1 Q5.1 TP20.1 TP66.1 U14.1 U14.5
/CHANNEL 6/LED_DOUT: D24.2 D28.4
/CHANNEL 6/LOAD_SWITCHED: D21.2 F59.1 Q6.3 R32.1 R33.2 TP25.1 TP71.1 U17.8 U18.8
/CHANNEL 6/LOAD_VSS: C32.1 C33.1 F57.1 Q6.1 TP24.1 TP70.1 U17.1 U17.5
/CHANNEL 7/LED_DOUT: D28.2 D32.4
/CHANNEL 7/LOAD_SWITCHED: D25.2 F62.1 Q7.3 R37.1 R38.2 TP29.1 TP75.1 U20.8 U21.8
/CHANNEL 7/LOAD_VSS: C38.1 C39.1 F60.1 Q7.1 TP28.1 TP74.1 U20.1 U20.5
/CHANNEL 8/LED_DOUT: D32.2
/CHANNEL 8/LOAD_SWITCHED: D29.2 F65.1 Q8.3 R42.1 R43.2 TP33.1 TP79.1 U23.8 U24.8
/CHANNEL 8/LOAD_VSS: C44.1 C45.1 F63.1 Q8.1 TP32.1 TP78.1 U23.1 U23.5
/ESP32-S3/CC1_1: J4.A5 R64.1
/ESP32-S3/CC2_1: J4.B5 R65.1
/ESP32-S3/EN: R66.2 TP45.1 U30.3
/ESP32-S3/ESP_RXD0: J5.4 U30.36
/ESP32-S3/ESP_TXD0: J5.3 U30.37
/ESP32-S3/ESP_USB+: U30.14 U31.1
/ESP32-S3/ESP_USB-: U30.13 U31.3
/ESP32-S3/GPIO0_BOOT: R69.2 TP48.1 U30.27
/ESP32-S3/GPIO1: U1.2 U30.39
/ESP32-S3/GPIO2: U1.3 U30.38
/ESP32-S3/GPIO3: U30.15
/ESP32-S3/GPIO4: U1.4 U30.4
/ESP32-S3/GPIO5: U1.5 U30.5
/ESP32-S3/GPIO6: U1.6 U30.6
/ESP32-S3/GPIO7: U1.7 U30.7
/ESP32-S3/GPIO8: U1.8 U30.12
/ESP32-S3/GPIO9: U1.9 U30.17
/ESP32-S3/GPIO21: R3.2 U1.1 U1.19 U30.23
/ESP32-S3/GPIO35: U30.28
/ESP32-S3/GPIO36: U30.29
/ESP32-S3/GPIO37: U30.30
/ESP32-S3/GPIO38: U30.31 U33.2
/ESP32-S3/GPIO45: U30.26
/ESP32-S3/GPIO46: U30.16
/ESP32-S3/GPIO47: R4.1 U30.24
/ESP32-S3/GPIO48: R5.2 U30.25
/ESP32-S3/USB_D+: J4.A6 J4.B6 TP43.1 U31.6
/ESP32-S3/USB_D-: J4.A7 J4.B7 TP44.1 U31.4
/Power Supply/SW: C61.2 L1.1 U27.1
ALERT1: R10.1 U3.3 U30.8
ALERT2: R15.1 U6.3 U30.9
ALERT3: R20.1 U9.3 U30.10
ALERT4: R25.1 U12.3 U30.11
ALERT5: R30.1 U15.3 U30.35
ALERT6: R35.1 U18.3 U30.34
ALERT7: R40.1 U21.3 U30.33
ALERT8: R45.1 U24.3 U30.32
CHANNEL_LEDS: D4.4 D47.2
FAN_MOSFET1: R46.2 U30.20
FAN_MOSFET2: R49.2 U30.18
FAN_TACH1: D33.2 M1.3 R48.1 TP89.1 U30.21
FAN_TACH2: D34.2 M2.3 R51.1 TP90.1 U30.19
LOAD1: D2.1 D3.1 LOADS1.1 R7.2 R9.2 TP6.1 TP52.1
LOAD2: D6.1 D7.1 LOADS1.2 R12.2 R14.2 TP10.1 TP56.1
LOAD3: D10.1 D11.1 LOADS1.3 R17.2 R19.2 TP14.1 TP60.1
LOAD4: D14.1 D15.1 LOADS1.4 R22.2 R24.2 TP18.1 TP64.1
LOAD5: D18.1 D19.1 LOADS1.5 R27.2 R29.2 TP22.1 TP68.1
LOAD6: D22.1 D23.1 LOADS1.6 R32.2 R34.2 TP26.1 TP72.1
LOAD7: D26.1 D27.1 LOADS1.7 R37.2 R39.2 TP30.1 TP76.1
LOAD8: D30.1 D31.1 LOADS1.8 R42.2 R44.2 TP34.1 TP80.1
PIEZO: R59.2 U30.22
PWM1: R6.1 U1.18 U2.7
PWM2: R11.1 U1.17 U5.7
PWM3: R16.1 U1.16 U8.7
PWM4: R21.1 U1.15 U11.7
PWM5: R26.1 U1.14 U14.7
PWM6: R31.1 U1.13 U17.7
PWM7: R36.1 U1.12 U20.7
PWM8: R41.1 U1.11 U23.7
SCL: J1.4 R2.1 R4.2 TP1.1 TP97.1 U3.5 U4.2 U6.5 U7.2 U9.5 U10.2 U12.2 U12.5 U13.2 U15.5 U16.2 U18.5 U19.2 U21.5 U22.2 U24.2 U24.5 U25.2 U28.3
SDA: J1.3 R1.1 R5.1 TP2.1 TP98.1 U3.4 U4.1 U6.4 U7.1 U9.2 U9.4 U10.1 U12.4 U13.1 U15.4 U16.1 U18.4 U19.1 U21.2 U21.4 U22.1 U24.4 U25.1 U28.4
Net-(BZ1--): BZ1.2 Q11.3
Net-(C73-Pad1): C73.1 R71.1
Net-(D1-K): D1.1 Q1.2 TP3.1 TP49.1 U2.6
Net-(D5-K): D5.1 Q2.2 TP7.1 TP53.1 U5.6
Net-(D9-K): D9.1 Q3.2 TP11.1 TP57.1 U8.6
Net-(D13-K): D13.1 Q4.2 TP15.1 TP61.1 U11.6
Net-(D17-K): D17.1 Q5.2 TP19.1 TP65.1 U14.6
Net-(D21-K): D21.1 Q6.2 TP23.1 TP69.1 U17.6
Net-(D25-K): D25.1 Q7.2 TP27.1 TP73.1 U20.6
Net-(D29-K): D29.1 Q8.2 TP31.1 TP77.1 U23.6
Net-(D35-A): D35.2 D37.2 D38.2 F32.1 TP35.1 TP91.1
Net-(D35-K): D35.1 R52.1
Net-(D36-A): C52.1 C53.1 C55.1 D36.2 D39.2 R53.1 U26.5
Net-(D38-K): C56.1 C57.1 C60.1 D38.1 U27.3 U27.8
Net-(D40-COM): D40.3 R55.1 R56.2 TP94.1 U28.1
Net-(D41-A): C74.1 C75.1 D41.2 F33.2 L1.2 R72.1 TP37.1 TP93.1
Net-(D41-K): C61.1 D41.1 U27.2
Net-(D42-K): D42.1 FB2.1
Net-(D43-K): D43.1 R74.1
Net-(D45-A2): C66.1 D45.2 R66.1 R67.2 SW1.1
Net-(D46-K): D46.1 R68.1
Net-(D47-DIN): D47.4 U33.4
Net-(D48-A2): C71.2 D48.2 R69.1 R70.1 SW2.1
Net-(J4-SHIELD): J4.S1 R57.2 R61.2 R62.2 R63.2
Net-(M1--): M1.1 Q9.3
Net-(M2--): M2.1 Q10.3
Net-(Q9-G): Q9.1 R46.1 R47.1
Net-(Q10-G): Q10.1 R49.1 R50.1
Net-(Q11-G): Q11.1 R59.1 R60.1
Net-(U2-VCAP): C3.2 U2.4
Net-(U3-Vin+): C4.1 R8.1 U3.10
Net-(U3-Vin-): C4.2 R9.1 U3.9
Net-(U5-VCAP): C9.2 U5.4
Net-(U6-Vin+): C10.1 R13.1 U6.10
Net-(U6-Vin-): C10.2 R14.1 U6.9
Net-(U8-VCAP): C15.2 U8.4
Net-(U9-Vin+): C16.1 R18.1 U9.10
Net-(U9-Vin-): C16.2 R19.1 U9.9
Net-(U11-VCAP): C21.2 U11.4
Net-(U12-Vin+): C22.1 R23.1 U12.10
Net-(U12-Vin-): C22.2 R24.1 U12.9
Net-(U14-VCAP): C27.2 U14.4
Net-(U15-Vin+): C28.1 R28.1 U15.10
Net-(U15-Vin-): C28.2 R29.1 U15.9
Net-(U17-VCAP): C33.2 U17.4
Net-(U18-Vin+): C34.1 R33.1 U18.10
Net-(U18-Vin-): C34.2 R34.1 U18.9
Net-(U20-VCAP): C39.2 U20.4
Net-(U21-Vin+): C40.1 R38.1 U21.10
Net-(U21-Vin-): C40.2 R39.1 U21.9
Net-(U23-VCAP): C45.2 U23.4
Net-(U24-Vin+): C46.1 R43.1 U24.10
Net-(U24-Vin-): C46.2 R44.1 U24.9
Net-(U26-EN): C51.1 FB1.2 U26.1 U26.3
Net-(U27-COMP): C73.2 U27.6
Net-(U27-FB): R72.2 R73.1 U27.5
Net-(U27-RLIM): R58.1 U27.7
Net-(U29-EN): F33.1 TP38.1 U29.1 U29.3

Pads without a net: J4 A8 B8; U2 3; U4 3; U5 3; U7 3; U8 3; U10 3; U11 3; U13 3; U14 3; U16 3; U17 3; U19 3; U20 3; U22 3; U23 3; U25 3; U26 4; U29 4; U33 1

## Via types
v1: diameter 0.45, hole 0.3, Top to Bottom, 992 vias
v2: diameter 0.9, hole 0.6, Top to Bottom, 3 vias
v3: diameter 0.6, hole 0.3, Top to Bottom, 21 vias
v4: diameter 1.5, hole 0.9, Top to Bottom, 80 vias

## Routing (per net, layer and track width the routed paths; a pad name or vN(x,y) marks a point on that pad's centre or on a via; arc(x,y) is an arc through that point)
+3.3V: length 191.8
  Top w0.25: 28.92,45.5 31.38,45.5
  Top w0.375: 99.4,77.9 99.4,73.65 99.88,73.17 R31.2 ; 27.6,68.88 27.6,67.78 U1.20 ; R36.2 112.88,73.17 112.4,73.65 112.4,77.9 ; 10.95,56.05 v1(10,55.1) ; R16.2 60.88,73.17 60.4,73.65 60.4,77.9 ; 86.4,77.9 86.4,73.65 86.88,73.17 R26.2 ; R48.2 v1(12.2,92.4) ; 47.4,77.9 47.4,73.65 47.88,73.17 R11.2 ; 73.4,77.9 73.4,73.65 73.88,73.17 R21.2 ; R54.2 26.67,74.28 v1(26.75,74.2) ; v1(28.9,49.9) 31.62,49.9 R1.2 R2.2 31.72,45.6 v1(28.9,45.6) ; U32.2 11.35,106.65 v3(11.4,106.7) ; R3.1 27.7,69.03 ; v1(12.5,23.1) 12.49,23.11 J5.1 ; R51.2 v1(12.3,82.7) ; v1(28,55.8) 27.72,55.53 26.72,55.53 ; J1.2 v1(24.7,80.8) ; 15.97,17.43 v1(17,16.4) ; R6.2 34.83,73.08 34.35,73.55 v1(34.35,77.8) ; R41.2 125.88,73.17 125.4,73.65 125.4,77.9 ; v1(27.5,70.1) 27.58,70.03 C1.1
  Top w0.75: v2(9.1,28.8) 9.08,28.83 9.08,32 ; U30.2 9.01,32.06
  Top w1: U32.2 v1(11.35,101.2) v1(11.35,100) 11.35,97.05 TP46.1
  In2.Cu w0.375: v1(26.75,74.2) 28.3,74.2 31.9,77.8 v1(125.4,77.8)
  Bottom w0.375: v3(11.4,106.7) 11.4,107.1 TP47.1
  vias: v1(6.9,104.9) v1(6.9,103.4) v1(7.6,105.8) v1(7.7,102.5) v1(8.1,103.8) v1(8.4,105.1) v1(8.6,101.4) v1(8.8,106.1) v1(8.9,102.7) v1(9,107.1) v1(9.7,106) v1(9.7,105) v1(9.7,103.9) v1(9.7,103) v1(9.8,101.7) v1(10.1,100.2) v1(10.3,106.9) v1(12.3,106.7) v1(12.4,99.4) v1(12.5,101.5) v1(47.4,77.8) v1(60.4,77.8) v1(73.4,77.8) v1(86.4,77.8) v1(99.4,77.8) v1(112.4,77.8)
+3.3VADC: length 376.4
  Top w0.25: 64.25,48.4 64.25,49.75 v1(64.5,50) ; 64.25,48.4 64.22,48.42 U9.6 ; 64.25,48.4 64.25,42.8 63.88,42.42 ; 77.25,48.4 77.25,42.8 76.88,42.42 ; 77.25,48.4 77.25,49.65 v1(77.6,50) ; 77.25,48.4 77.22,48.42 U12.6 ; 38.2,48.3 38.17,48.33 U3.6 ; 38.2,48.3 38.2,49.8 v1(38.4,50) ; 38.2,48.3 38.2,42.7 37.83,42.33 ; U15.1 86.2,42.58 86.2,41.28 C29.1 87.38,41.15 88.95,41.15 89.88,42.08 ; U24.6 129.22,48.42 129.25,48.4 ; 116.25,46.1 116.25,42.8 115.88,42.42 ; 116.25,46.1 116.25,48.4 ; 116.25,46.1 114.4,46.1 113.65,45.35 U21.1 ; 51.25,48.4 51.22,48.42 U6.6 ; 51.25,48.4 51.25,46.4 ; 51.25,48.4 51.25,49.75 v1(51.5,50) ; 37.38,55.74 v1(38.6,56.96) 38.11,57.45 U4.8 ; 102.88,42.08 101.95,41.15 100.38,41.15 C35.1 ; 50.88,42.42 51.25,42.8 51.25,46.4 ; 116.25,48.4 116.25,49.75 v1(116.5,50) ; 116.25,48.4 116.22,48.42 U21.6 ; 63.53,57.75 63.96,57.75 v1(64.65,57.06) 63.42,55.84 ; U25.5 U25.7 U25.8 ; 115.88,42.08 114.95,41.15 113.38,41.15 C41.1 ; C11.1 48.38,41.15 49.95,41.15 50.88,42.08 ; 129.25,46.4 129.25,42.8 128.88,42.42 ; 129.25,46.4 129.25,48.4 ; 129.25,46.4 127.2,46.4 126.65,45.85 U24.1 ; 89.53,57.75 89.96,57.75 v1(90.65,57.06) 89.43,55.84 ; 51.25,46.4 50.09,46.4 49.15,45.46 U6.2 ; 128.43,55.84 v1(129.65,57.06) 128.96,57.75 128.53,57.75 ; C23.1 74.38,41.15 75.95,41.15 76.88,42.08 ; 76.53,57.75 76.96,57.75 v1(77.65,57.06) 76.43,55.84 ; C5.1 35.33,41.05 36.9,41.05 37.83,41.97 ; 128.88,42.08 127.95,41.15 126.38,41.15 C47.1 ; U19.5 100.57,58.36 100.9,58.69 101.55,58.69 101.88,58.36 U19.7 U19.8 ; 129.25,48.4 129.25,49.65 v1(129.6,50) ; C17.1 61.38,41.15 62.95,41.15 63.88,42.08 ; U15.6 90.22,48.42 90.25,48.4 ; 102.43,55.84 v1(103.65,57.06) 102.96,57.75 102.53,57.75 ; U22.8 115.53,58.32 115.15,58.69 114.55,58.69 114.22,58.36 114.22,57.55 U22.5 ; 103.25,46.2 103.25,42.8 102.88,42.42 ; 103.25,46.2 103.25,48.4 ; 103.25,46.2 101.5,46.2 100.65,45.35 U18.1 U18.2 ; 89.88,42.42 90.25,42.8 90.25,48.4 ; 103.25,48.4 103.22,48.42 U18.6 ; 103.25,48.4 103.25,49.75 v1(103.5,50) ; 90.25,48.4 90.25,49.75 v1(90.5,50) ; U16.8 89.53,58.32 89.15,58.69 87.9,58.69 87.57,58.36 U16.5 ; U7.7 U7.8 ; 50.42,55.84 v1(51.65,57.06) 50.96,57.75 50.53,57.75 ; U10.8 63.53,58.36 63.2,58.69 62.6,58.69 62.22,58.32 U10.6 ; 75.22,57.55 U13.7 U13.8 ; 115.53,57.75 115.96,57.75 v1(116.65,57.06) 115.43,55.84
  Top w0.375: 30.08,84.38 31.97,84.38 32.6,85 32.6,88.86 31.45,90.01 ; 30.08,84.38 29.72,84.03 C59.1 C58.1 ; 30.08,84.38 30.5,84.8 U28.5 ; v1(28.55,81.7) 29.58,81.7 ; 29.2,75.15 TP36.1 32.7,77.3 33.4,76.6 33.4,52.1 34,51.5 v1(34,50) ; 29.2,75.15 R54.1 ; 29.2,75.15 R53.2
  Bottom w0.25: 36.2,50 36.95,50 37.6,50.65 37.6,56 38.56,56.96 v1(38.6,56.96) ; 36.2,50 49.9,50 ; 36.2,50 v1(34,50) ; 62.9,50 75.9,50 ; 62.9,50 63.65,50.75 63.65,56.1 64.61,57.06 v1(64.65,57.06) ; 62.9,50 49.9,50 ; 75.9,50 88.9,50 ; 75.9,50 76.65,50.75 76.65,56.1 77.61,57.06 v1(77.65,57.06) ; 88.9,50 89.65,50.75 89.65,56.1 90.61,57.06 v1(90.65,57.06) ; 88.9,50 101.9,50 ; 49.9,50 50.65,50.75 50.65,56.1 51.61,57.06 v1(51.65,57.06) ; 114.9,50 115.65,50.75 115.65,56.1 116.61,57.06 v1(116.65,57.06) ; 114.9,50 127.9,50 ; 114.9,50 101.9,50 ; 127.9,50 v1(129.6,50) ; 127.9,50 128.65,50.75 128.65,56.1 129.61,57.06 v1(129.65,57.06) ; 101.9,50 102.65,50.75 102.65,56.1 103.61,57.06 v1(103.65,57.06)
  Bottom w0.375: v1(28.55,81.7) 28.55,80.1 29.2,79.45 TP36.1
  Bottom w0.5: TP36.1 TP92.1
